# Altium PCB CB3-ECB_PCB.PcbDoc (part 3 of 4)
Units mm, origin at the board's own origin, x right, y up, seen from the top; angles counter-clockwise.
Board outline 205.5 x 149.67 mm, 4 copper layers (Top Layer, Layer 1, Layer 2, Bottom Layer), stack 1.56 mm thick; 352 components, 259 nets, 1548 pads, 901 vias.
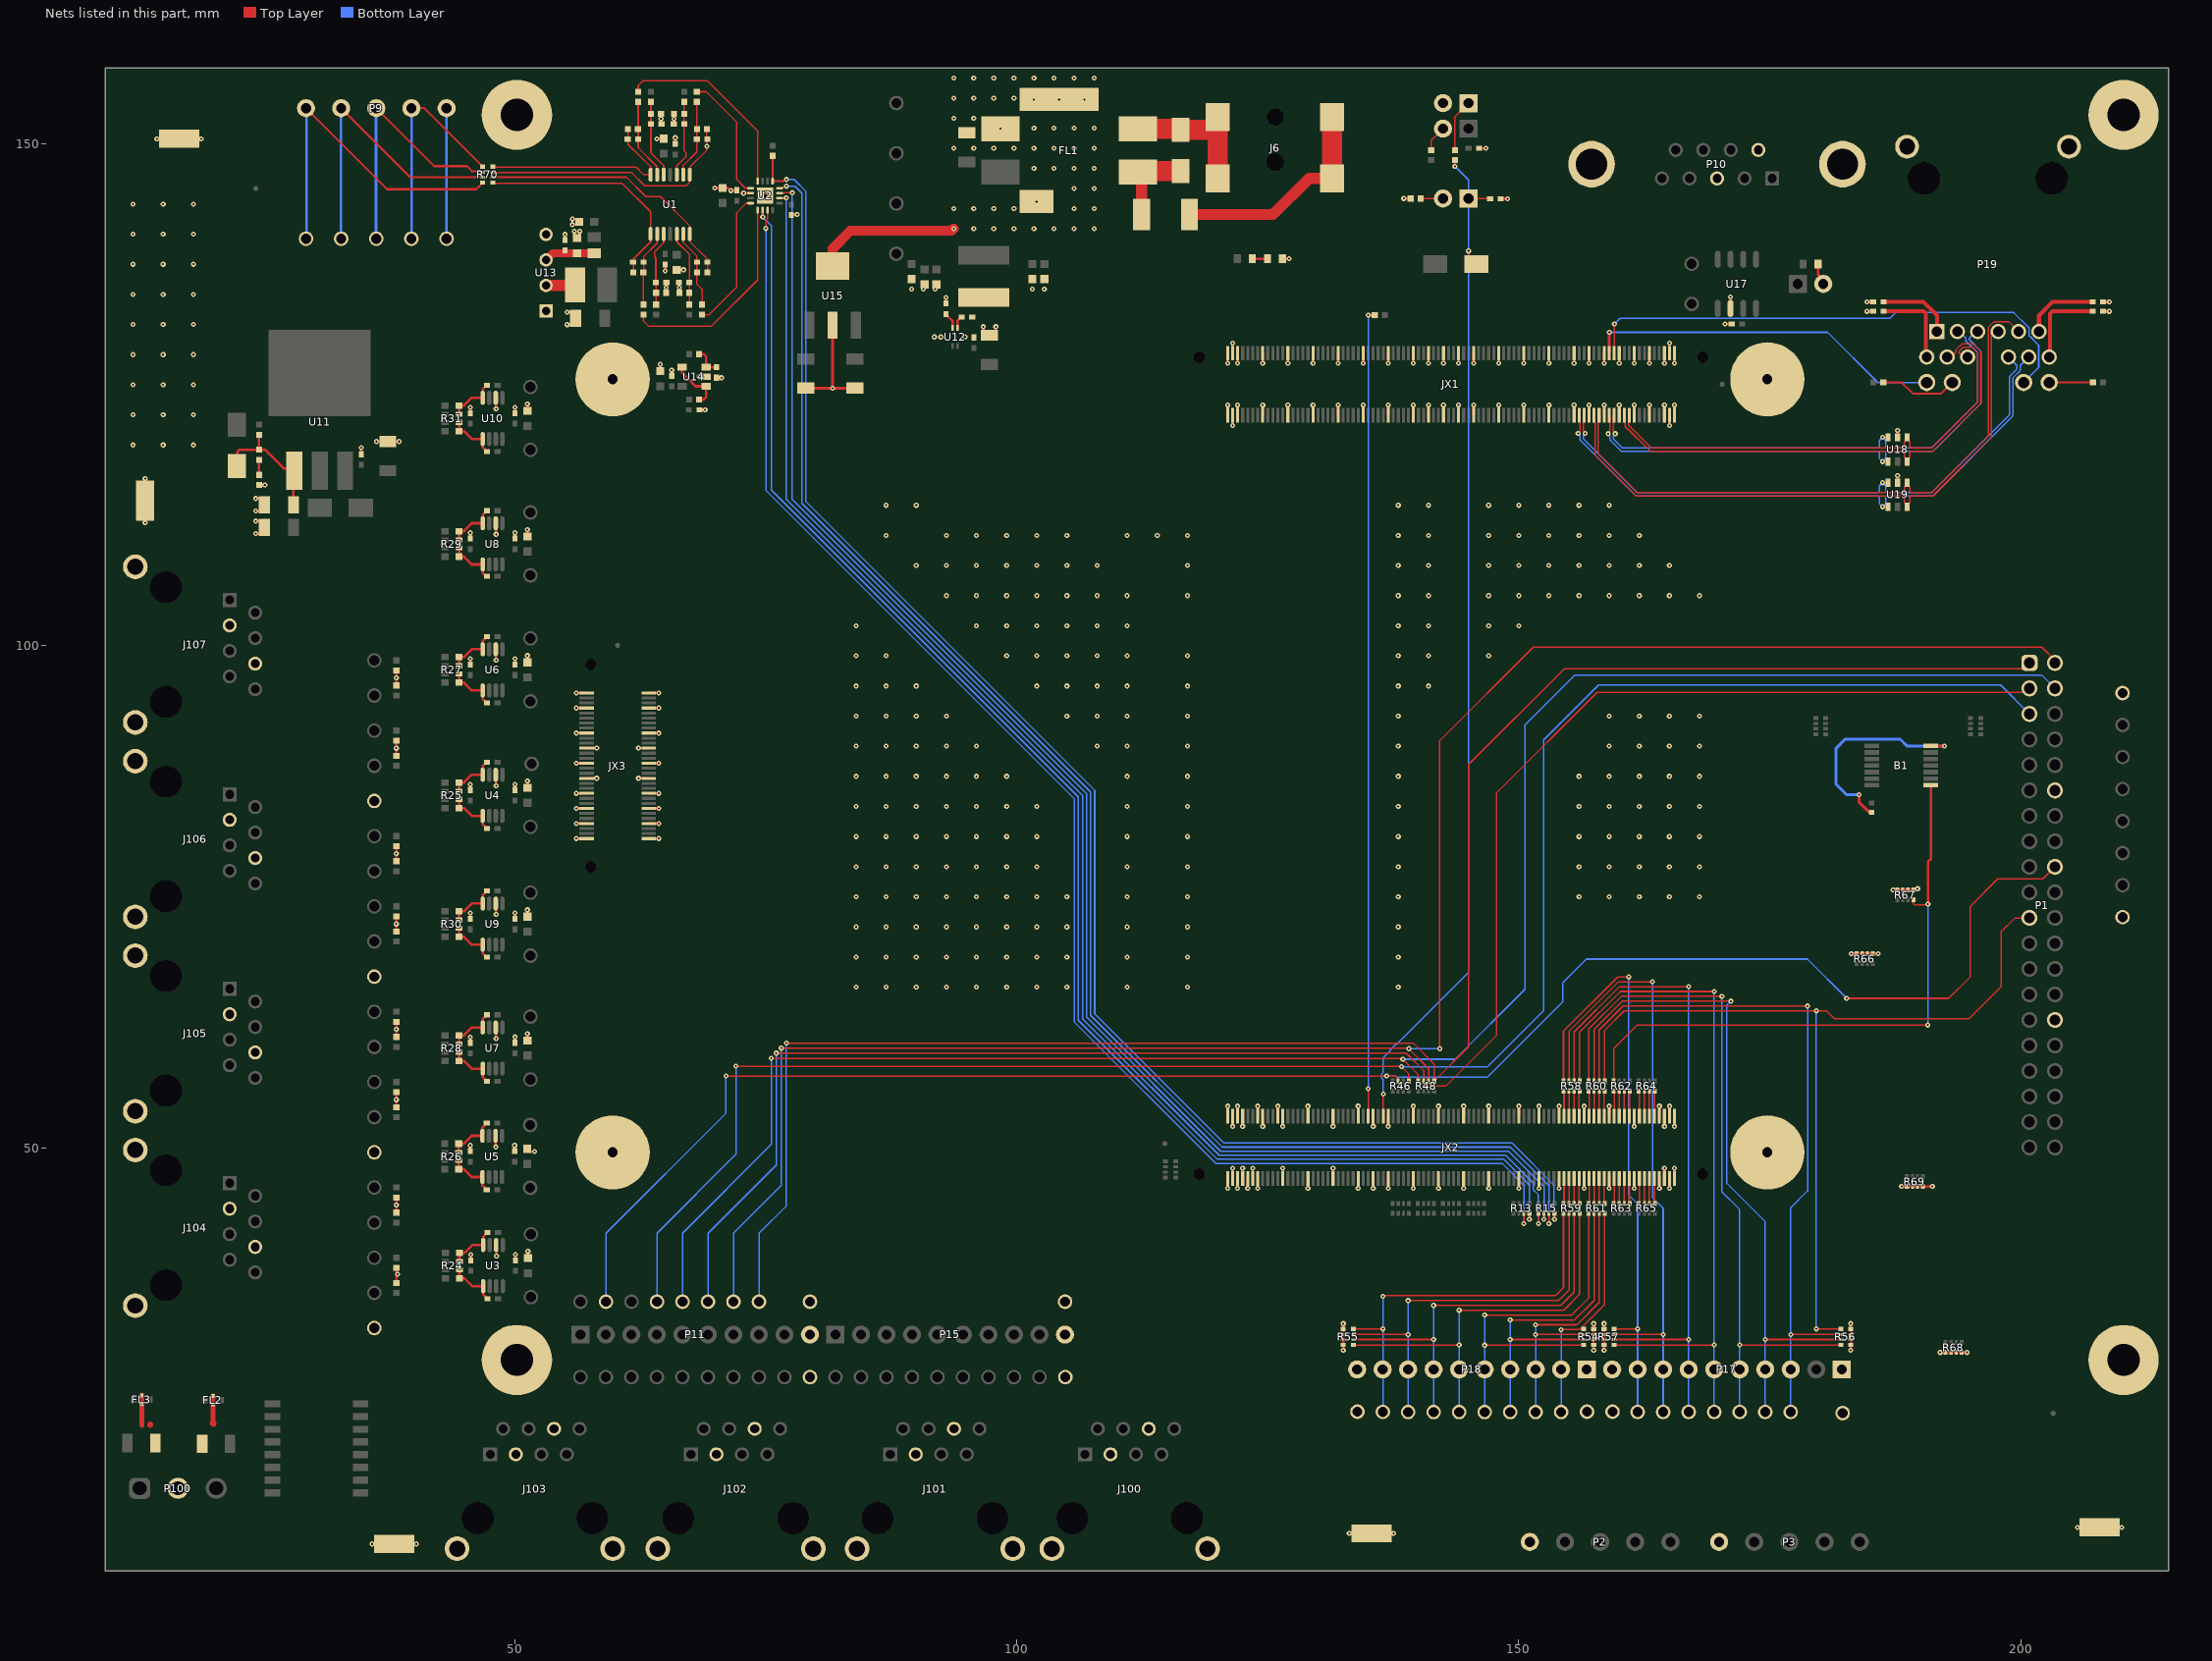
[diagram p5: the nets of this part, all layers, seen from the top]

## Via types
v1: diameter 0.508, hole 0.2, Top Layer to Bottom Layer, 457 vias
v2: diameter 0.508, hole 0.2, Top Layer to Bottom Layer, tented both sides, 440 vias
v3: diameter 0.508/0.508/0.508/0.508 (per signal layer), hole 0.2, Top Layer to Bottom Layer, tented both sides, 3 vias
v4: diameter 0.66, hole 0.33, Top Layer to Bottom Layer, tented both sides, 1 vias

## Nets (pads, with @x,y where several pads share a name; then routed paths per layer and width w, separated by ;. In a path a pad name is that pad's centre, name@x,y a point inside that pad or via, vN(x,y) a via of type N, cw(c..) or ccw(c..) an arc to the next point about the centre after c; other vN are vias at no path point) (continued)
CLK_V: P1.4 R48.4 TP27.1 | length 190.4
  Top Layer w0.152: v2(75.559,58.931) 75.612,58.878 138.397,58.878 139.977,57.298 R48.4@139.977,56.646
  Bottom Layer w0.152: TP27.1@66.719,34.675 66.719,41.495 75.559,50.335 v2(75.559,58.931) ; v3(138.45,58.825) 143.65,58.825 150.625,65.8 150.625,92.125 155.6,97.1 202.06,97.1 P1.4@203.4,95.76
CLK_W: P1.2 R48.2 TP37.1 | length 193.5
  Top Layer w0.152: v2(76.559,59.931) 138.994,59.931 v2(139.05,59.875) 139.05,59.854 141.026,57.878 141.026,56.647 R48.2@141.027,56.646 ; v2(142.125,59.875) 142.125,90.55 151.45,99.875 202.1,99.875 203.4,98.575 P1.2@203.4,98.3
  Bottom Layer w0.152: TP37.1@71.799,34.675 71.799,41.495 76.559,46.255 v2(76.559,59.931) ; v2(139.05,59.875) v2(142.125,59.875)
DAC0: C14.2 R20.2 R70.4 U1.14 | length 21.5
  Top Layer w0.152: R70.4@47.825,147.675 62.1,147.675 62.849,146.926 U1.14@63.546,146.926 63.533,147.758 61.292,149.931 61.297,150.457 R20.2@61.307,151.473
DAC1: C12.2 R16.2 R70.3 U1.8 | length 26.3
  Top Layer w0.152: R70.3@47.825,147.125 61.674,147.125 62.973,145.826 67.101,145.826 67.423,146.148 67.423,146.903 U1.8@67.446,146.926 67.474,146.954 67.474,147.699 69.139,149.364 v2(69.139,149.743) 69.139,151.46 R16.2@69.146,151.468
DAC2: C10.2 R9.2 R70.2 U1.7 | length 27.1
  Top Layer w0.152: R70.2@47.77,146.675 61.128,146.675 63.053,144.75 64.525,144.75 67.446,141.829 U1.7@67.446,141.026 67.446,140.275 69.213,138.509 C10.2@69.213,138.215 69.213,137.224 R9.2@69.188,137.199
DAC3: C5.2 R5.2 R70.1 U1.1 | length 23.6
  Top Layer w0.152: R70.1@47.825,146.075 60.7,146.075 63.546,143.229 U1.1@63.546,141.026 63.546,140.244 61.837,138.535 R5.2@61.837,137.199
DAC-0: P9.4 R70.5 TP104.1 | length 22.5
  Top Layer w0.203: P9.4@39.725,153.55 41,153.55 46.677,147.873 46.677,147.823 46.775,147.725 R70.5@46.825,147.725
  Bottom Layer w0.25: TP104.1@39.725,140.55 P9.4@39.725,153.55
DAC-1: P9.3 R70.6 TP103.1 | length 26.2
  Top Layer w0.203: P9.3@36.225,153.55 42,147.775 45.25,147.775 45.754,147.271 46.558,147.271 46.605,147.223 46.777,147.223 R70.6@46.825,147.175
  Bottom Layer w0.25: TP103.1@36.2,140.55 P9.3@36.2,153.55
DAC-2: P9.2 R70.7 TP102.1 | length 29.9
  Top Layer w0.203: P9.2@32.725,153.55 39.6,146.675 R70.7@46.825,146.675
  Bottom Layer w0.25: TP102.1@32.725,140.55 P9.2@32.725,153.55
DAC-3: P9.1 R70.8 TP101.1 | length 33.9
  Top Layer w0.203: P9.1@29.225,153.55 37.3,145.475 46.175,145.475 R70.8@46.825,146.125
  Bottom Layer w0.203: TP101.1@29.225,140.55 TP101.1@29.239,140.564
  Bottom Layer w0.25: TP101.1@29.275,140.55 P9.1@29.275,153.214
DAT_U: P1.5 R46.1 TP23.1 | length 190.1
  Top Layer w0.152: v2(72.039,58.153) 72.078,58.114 v2@138.324,58.114 ; v2@138.325,58.075 139.045,57.355 R46.1@139.045,56.646
  Bottom Layer w0.152: TP23.1@64.179,34.675 64.179,41.495 72.039,49.354 v2(72.039,58.153) ; v2(138.338,58.1) 138.338,58.062 v2@138.423,57.977 ; v2@138.423,58.075 146.875,58.075 152.475,63.675 152.475,90.625 157.95,96.1 197.98,96.1 P1.5@200.86,93.22
DAT_UDC: P1.18 R46.3 TP11.1 | length 177.8
  Top Layer w0.152: v2(71.052,57.153) v2(136.837,57.153) 137.712,57.153 137.922,56.943 137.922,56.72 R46.3@137.995,56.646 ; v2(182.647,64.887) 192.812,64.887 194.975,67.05 194.975,74.05 197.705,76.78 202.2,76.78 P1.18@203.4,77.98
  Bottom Layer w0.152: TP11.1@59.099,35.336 59.099,41.495 71.052,53.447 v2(71.052,57.153) ; v2(136.837,57.153) 137.714,57.153 137.841,57.025 146.85,57.025 154.375,64.55 154.375,66.45 156.725,68.8 178.75,68.8 182.647,64.903 v2(182.647,64.887)
DAT_V: P1.3 R48.3 TP33.1 | length 185.1
  Top Layer w0.152: v2(76.059,59.431) 138.794,59.431 140.527,57.698 140.527,56.896 140.527,56.821 R48.3@140.527,56.646 140.557,56.617 140.557,56.235 140.646,56.146 142.721,56.146 147.8,61.225 147.8,85.375 157.8,95.375 200.083,95.375 200.468,95.76 P1.3@200.86,95.76
  Bottom Layer w0.152: TP33.1@69.259,34.675 69.259,41.495 76.059,48.295 v2(76.059,59.431)
DAT_W: P1.1 R48.1 TP43.1 | length 187
  Top Layer w0.152: v2(77.059,60.431) 139.494,60.431 141.577,58.348 R48.1@141.577,56.646 141.577,56.696 141.701,56.82 141.751,56.82 144.995,60.064 144.995,88.17 154.55,97.725 200.11,97.725 200.685,98.3 P1.1@200.86,98.3
  Bottom Layer w0.152: TP43.1@74.339,34.675 74.339,41.495 77.059,44.215 v2(77.059,60.431)
GND: B1.7 C1.1 C2.1 C3.2 C4.2 C6.1 C7.1 C8.1 C9.1 C11.1 C13.1 C15.1 C18.1 C19.1 C20.1 C21.1 C22.1 C25.1 C28.1 C29.1 C30.1 C31.1 C32.1 C33.1 C38.1 C39.1 C40.1 C41.1 C42.1 C43.1 C46.1 C47.1 C50.1 C51.1 C52.1 C53.1 C56.1 C57.1 C59.1 C60.1 C61.1 C62.1 C63.1 C64.2 C65.2 C66.1 C67.2 C68.1 C69.1 C70.1 C71.1 C72.1 C73.1 C74.1 C75.1 C76.1 C77.1 C78.1 C79.1 C80.1 C81.1 C82.1 C83.1 C84.1 C85.1 C86.1 C87.1 C88.2 C89.1 FL1.4 FL2.2 FL2.4 FL3.2 FL3.4 J1.1 J2.1 J3.1 J4.1 J5.1 J100.3 J100.6 J100.9 J100.10 J101.3 J101.6 J101.9 J101.10 J102.3 J102.6 J102.9 J102.10 J103.3 J103.6 J103.9 J103.10 J104.3 J104.6 J104.9 J104.10 J105.3 J105.6 J105.9 J105.10 J106.3 J106.6 J106.9 J106.10 J107.3 J107.6 J107.9 J107.10 JX1.1 JX1.2 JX1.3 JX1.6 JX1.9 JX1.12 JX1.15 JX1.18 JX1.21 JX1.26 JX1.31 JX1.36 JX1.41 JX1.44 JX1.47 JX1.50 JX1.53 JX1.58 JX1.63 JX1.68 JX1.73 JX1.78 JX1.83 JX1.88 JX1.89 JX1.90 JX1.91 JX1.92 JX1.93 JX1.98 JX1.103 JX1.108 JX1.113 JX1.118 JX1.123 JX1.128 JX1.131 JX1.134 JX1.137 JX1.140 JX1.145 JX1.150 JX1.155 JX1.160 JX1.163 JX1.166 JX1.169 JX1.172 JX1.175 JX1.178 JX1.179 JX1.180 JX2.1 JX2.2 JX2.3 JX2.4 JX2.7 JX2.8 JX2.11 JX2.12 JX2.17 JX2.22 JX2.27 JX2.30 JX2.33 JX2.38 JX2.43 JX2.48 JX2.53 JX2.59 JX2.63 JX2.67 JX2.72 JX2.77 JX2.82 JX2.87 JX2.88 JX2.89 JX2.90 JX2.91 JX2.92 JX2.93 JX2.94 JX2.99 JX2.104 JX2.109 JX2.114 JX2.118 JX2.122 JX2.128 JX2.133 JX2.138 JX2.143 JX2.148 JX2.151 JX2.154 JX2.159 JX2.164 JX2.169 JX2.174 JX2.175 JX2.176 JX2.177 JX2.178 JX2.179 JX2.180 JX3.1 JX3.4 JX3.9 JX3.12 JX3.15 JX3.18 JX3.21 JX3.24 JX3.27 JX3.30 JX3.31 JX3.34 JX3.37 JX3.40 JX3.43 JX3.46 JX3.49 JX3.52 JX3.57 JX3.60 LED1.K P1.12 P1.30 P2.5 P3.5 P9.5 P10.3 P10.6 P10.MH1 P10.MH2 P11.10 P13.2 P15.10 P17.1 P17.10 P18.1 P18.10 P19.S1 P19.S2 P22.0 P23.0 P24.0 P25.0 P26.1 P27.1 P28.1 P29.1 P100.2 R3.1 R4.1 R8.1 R14.1 R19.1 R23.1 R34.1 R35.1 R37.1 R38.1 R39.1 R40.1 R54.5 R54.6 R54.7 R54.8 R55.5 R55.6 R55.7 R55.8 R56.5 R56.6 R56.7 R56.8 R57.5 R57.6 R57.7 R57.8 R66.5 R66.6 R66.7 R66.8 R67.5 R67.6 R67.7 R67.8 R68.5 R68.6 R68.7 R68.8 R69.5 R69.6 R69.7 R69.8 R71.1 R72.1 R73.1 R74.1 R75.1 R76.1 R77.1 R78.1 R79.1 R84.1 TP21.1 TP22.1 TP31.1 TP32.1 TP57.1 TP58.1 TP59.1 TP60.1 TP65.1 TP66.1 TP67.1 TP68.1 TP73.1 TP74.1 TP105.1 U2.2 U2.17 U3.6 U4.6 U5.6 U6.6 U7.6 U8.6 U9.6 U10.6 U12.1 U12.9 U13.1 U13.4 U14.2 U15.2 U15.4 U17.2 U18.2 U19.2 | length 307.2
  Top Layer w0.25: v1(24.225,111.175) C63.1@24.65,111.175 ; v1(24.225,112.425) C63.1@24.65,112.425 ; v1(24.225,113.425) C62.1@24.65,113.425 ; v1(24.225,114.675) 24.65,114.675 25.075,114.25 C62.1@25.075,114.05 ; R34.1@24.55,116.025 v1(25.125,116.025) ; C61.1@34.725,119.075 v1(34.725,119.725) ; v1(36.25,120.35) C60.1@37.375,120.35 v1(38.5,120.35) ; R76.1@38.225,36.55 38.225,37.23 38.341,37.346 v2(38.341,37.416) ; v2@38.225,37.416 R77.1@38.225,38.05 ; R72.1@38.225,43.55 v2(38.225,44.3) R73.1@38.225,45.05 ; R38.1@38.225,54.05 v2(38.225,54.8) R39.1@38.225,55.55 ; R3.1@38.225,61.05 v2(38.225,61.8) R4.1@38.225,62.55 ; R78.1@38.225,71.55 v2(38.225,72.3) R79.1@38.225,73.05 ; R74.1@38.225,78.55 v2(38.225,79.3) R75.1@38.225,80.05 ; R40.1@38.225,89.05 v2(38.225,89.8) R71.1@38.225,90.55 ; R35.1@38.225,96.05 v2(38.225,96.8) R37.1@38.225,97.55 ; C67.2@55.025,140.425 v1(55.025,140.975) ; v1(55.233,131.987) C66.1@55.658,131.987 ; v1(55.233,133.237) C66.1@55.658,133.237 ; v1(55.75,141.95) C65.2@56.2,141.95 ; v1(55.75,142.5) C65.2@56.2,142.5 ; C64.2@55.95,140.825 v1(55.95,141.275) ; C64.2@56,140.825 C64.2@56.225,140.6 ; C64.2@56.5,140.825 v1(56.5,141.275) ; C79.1@64.5,127.35 v1(64.5,128.025) ; v2(64.997,137.35) C2.1@64.997,137.967 ; C77.1@65.65,126.9 v1(65.65,127.475) ; C4.2@65.996,149.985 v2(65.996,150.602) ; v1(68.375,126.8) U14.2@69.075,126.8 ; C81.1@68.4,123.5 v1(68.975,123.5) ; v2(69.925,145.6) C9.1@70.725,145.6 71.222,145.6 71.484,145.339 v2(71.553,145.339) ; C80.1@70.1,126.7 v1(70.6,126.7) ; v2@71.623,145.339 v2(71.553,145.339) ; C8.1@72.125,145.375 72.107,145.357 71.572,145.357 v2(71.553,145.339) ; v2(72.797,145.084) U2.2@73.497,145.084 ; C7.1@77.553,142.896 77.58,142.923 78.098,142.923 v2(78.125,142.95) ; v1(92.95,134.7) 92.963,134.687 92.963,134.113 C72.1@92.975,134.1 ; v1(96.675,131.785) C68.1@96.675,131.36 ; v1(97.925,131.785) 97.925,131.36 97.5,130.935 C68.1@97.3,130.935 ; LED1.K@126.475,138.55 v1(127.125,138.55) ; v1(138.55,144.55) R84.1@139.225,144.55 ; C78.1@146.05,149.55 v1(146.725,149.55) ; C84.1@148.2,144.525 v1(148.875,144.525) ; v1(170.55,132.05) C70.1@171.2,132.05 ; U17.2@171.09,133.6 171.09,134.715 v1@171.125,134.75 ; v1(184.675,133.313) C76.1@185.275,133.313 ; v1(184.675,134.25) C75.1@185.275,134.25 ; U19.2@187.725,116.25 v2(187.725,116.95) ; U18.2@187.725,120.75 v2(187.725,121.45) ; C73.1@208.2,133.313 v1(208.8,133.313) ; C74.1@208.2,134.25 v1(208.8,134.25) ; C68.1@96.675,131.36 96.875,131.36 C68.1@97.3,130.935 ; C68.1@96.675,131.36 97.1,130.935 C68.1@97.3,130.935
  Top Layer w0.254: C30.1@45.575,49.669 v2(45.575,50.245) ; C40.1@45.6,60.463 v2(45.6,61.039) ; C50.1@45.6,72.808 v2(45.6,73.384) ; C25.1@45.6,85.635 v2(45.6,86.211) ; C33.1@45.6,98.132 v2(45.6,98.708) ; C43.1@45.6,110.679 v2(45.6,111.255) ; C53.1@45.6,123.176 v2(45.6,123.752) ; C20.1@45.648,38.791 v2(45.648,39.367) ; v2@48.11,50.113 U5.6@48.11,51.181 ; U10.6@48.122,124.701 48.135,124.688 48.135,123.62 v2(48.154,123.601) ; v2@48.135,60.908 U7.6@48.135,61.976 ; v2@48.135,73.252 U9.6@48.135,74.32 ; v2@48.135,86.079 U4.6@48.135,87.147 ; v2@48.135,98.576 U6.6@48.135,99.644 ; v2@48.135,111.123 U8.6@48.135,112.191 ; v2@48.183,39.235 U3.6@48.183,40.303 ; C21.1@50.005,49.669 v2(50.005,50.245) ; C28.1@50.03,60.464 v2(50.03,61.04) ; C31.1@50.03,72.808 v2(50.03,73.384) ; C38.1@50.03,85.635 v2(50.03,86.211) ; C41.1@50.03,98.132 v2(50.03,98.708) ; C46.1@50.03,110.679 v2(50.03,111.255) ; C51.1@50.03,123.176 v2(50.03,123.752) ; C18.1@50.078,38.791 v2(50.078,39.367) ; C22.1@51.25,49.896 51.521,49.625 v2(51.975,49.625) ; C52.1@51.273,123.401 51.275,123.403 v2(51.275,124.075) ; C29.1@51.275,60.691 v2(51.275,61.362) ; C32.1@51.275,73.035 v2(51.275,73.707) ; C39.1@51.275,85.862 v2(51.275,86.534) ; C42.1@51.275,98.359 v2(51.275,99.031) ; C47.1@51.275,110.906 v2(51.275,111.578) ; C19.1@51.323,39.018 v2(51.323,39.69) ; v2(56.146,80.805) JX3.31@57.16,80.805 ; v2(56.146,82.305) JX3.34@57.16,82.305 ; v2(56.146,83.805) JX3.37@57.16,83.805 ; v2(56.146,85.305) JX3.40@57.16,85.305 ; v2(56.146,88.305) JX3.46@57.16,88.305 ; v2(56.146,91.305) JX3.52@57.16,91.305 ; v2(56.146,93.805) JX3.57@57.16,93.805 ; v2(56.146,95.305) JX3.60@57.16,95.305 ; JX3.43@57.16,86.805 v2(58.175,86.805) ; JX3.49@57.16,89.805 v2(58.175,89.805) ; v2(62.336,86.805) JX3.18@63.35,86.805 ; v2(62.336,89.805) JX3.12@63.35,89.805 ; JX3.30@63.35,80.805 v2(64.365,80.805) ; JX3.27@63.35,82.305 v2(64.365,82.305) ; JX3.24@63.35,83.805 v2(64.365,83.805) ; JX3.21@63.35,85.305 v2(64.365,85.305) ; JX3.15@63.35,88.305 v2(64.365,88.305) ; JX3.9@63.35,91.305 v2(64.365,91.305) ; JX3.4@63.35,93.805 v2(64.365,93.805) ; JX3.1@63.35,95.305 v2(64.365,95.305) ; v2(64.168,150.502) C3.2@64.74,150.502 ; C15.1@64.577,151.982 v2(64.577,152.49) R23.1@64.577,152.998 ; R8.1@65.091,135.167 v2(65.091,135.675) C6.1@65.091,136.183 ; C13.1@65.887,151.982 v2(65.887,152.49) R19.1@65.887,152.998 ; C1.1@66.242,137.439 66.253,137.45 v2(66.825,137.45) ; R14.1@66.401,135.167 v2(66.401,135.675) C11.1@66.401,136.183 ; v2(121.005,45.959) JX2.180@121.005,46.96 ; JX2.1@121.005,53.15 v2(121.005,54.151) ; JX1.90@121.005,122.96 v2(121.005,123.972) ; v2(121.005,128.138) JX1.91@121.005,129.15 ; JX2.179@121.505,46.96 v2(121.505,47.961) ; v2(121.505,52.149) JX2.2@121.505,53.15 ; v2(121.505,121.948) JX1.89@121.505,122.96 ; JX1.92@121.505,129.15 v2(121.505,130.162) ; v2(122.005,45.959) JX2.178@122.005,46.96 ; JX2.3@122.005,53.15 v2(122.005,54.151) ; JX1.88@122.005,122.96 v2@122.005,123.972 ; v2@122.005,128.138 JX1.93@122.005,129.15 ; JX2.177@122.505,46.96 v2(122.505,47.961) ; v2(122.505,52.149) JX2.4@122.505,53.15 ; v2(123.005,45.959) JX2.176@123.005,46.96 ; JX2.175@123.505,46.96 v2(123.505,47.961) ; v2(124.005,45.959) JX2.174@124.005,46.96 ; JX2.7@124.005,53.15 v2(124.005,54.151) ; v2(124.505,52.149) JX2.8@124.505,53.15 ; JX1.83@124.505,122.96 v2(124.505,123.972) ; v2(124.505,128.138) JX1.98@124.505,129.15 ; JX2.11@126.005,53.15 v2(126.005,54.151) ; JX2.169@126.505,46.96 v2(126.505,47.961) ; v2(126.505,52.149) JX2.12@126.505,53.15 ; JX1.78@127.005,122.96 v2(127.005,123.972) ; v2(127.005,128.138) JX1.103@127.005,129.15 ; v2(129.005,45.959) JX2.164@129.005,46.96 ; JX2.17@129.005,53.15 v2(129.005,54.151) ; JX1.73@129.505,122.96 v2(129.505,123.972) ; v2(129.505,128.138) JX1.108@129.505,129.15 ; JX2.159@131.505,46.96 v2(131.505,47.961) ; v2(131.505,52.149) JX2.22@131.505,53.15 ; JX1.68@132.005,122.96 v2@132.005,123.972 ; v2@132.005,128.138 JX1.113@132.005,129.15 ; v2(132.521,29.83) R55.8@132.521,30.36 R55.7@132.521,30.91 R55.6@132.521,31.41 R55.5@132.521,31.96 v2(132.521,32.491) ; v2(134.005,45.959) JX2.154@134.005,46.96 ; JX2.27@134.005,53.15 v2(134.005,54.151) ; JX1.63@134.505,122.96 v2(134.505,123.972) ; v2(134.505,128.138) JX1.118@134.505,129.15 ; v2(135.505,45.959) JX2.151@135.505,46.96 ; v2(135.505,52.149) JX2.30@135.505,53.15 ; v2(137.005,45.959) JX2.148@137.005,46.96 ; v2(137.005,52.149) JX2.33@137.005,53.15 ; JX1.58@137.005,122.96 v2(137.005,123.972) ; v2(137.005,128.138) JX1.123@137.005,129.15 ; v2(139.505,45.959) JX2.143@139.505,46.96 ; JX2.38@139.505,53.15 v2(139.505,54.151) ; JX1.53@139.505,122.96 v2(139.505,123.972) ; v2(139.505,128.138) JX1.128@139.505,129.15 ; JX1.50@141.005,122.96 v2(141.005,123.972) ; v2(141.005,128.138) JX1.131@141.005,129.15 ; v2(142.005,45.959) JX2.138@142.005,46.96 ; JX2.43@142.005,53.15 v2(142.005,54.151) ; JX1.47@142.505,122.96 v2(142.505,123.972) ; v2(142.505,128.138) JX1.134@142.505,129.15 ; JX1.44@144.005,122.96 v2(144.005,123.972) ; v2(144.005,128.138) JX1.137@144.005,129.15 ; v2(144.505,45.959) JX2.133@144.505,46.96 ; JX1.41@145.505,122.96 v2@145.505,123.972 ; v2@145.505,128.138 JX1.140@145.505,129.15 ; v2(147.005,45.959) JX2.128@147.005,46.96 ; JX2.53@147.005,53.15 v2(147.005,54.151) ; JX1.36@148.005,122.96 v2(148.005,123.972) ; v2(148.005,128.138) JX1.145@148.005,129.15 ; v2(150.005,45.959) JX2.122@150.005,46.96 ; JX2.59@150.005,53.15 v2(150.005,54.151) ; JX1.31@150.505,122.96 v2(150.505,123.972) ; v2(150.505,128.138) JX1.150@150.505,129.15 ; v2(152.005,45.959) JX2.118@152.005,46.96 ; JX2.63@152.005,53.15 v2(152.005,54.151) ; JX1.26@153.005,122.96 v2(153.005,123.972) ; v2(153.005,128.138) JX1.155@153.005,129.15 ; v2(154.005,45.959) JX2.114@154.005,46.96 ; JX2.67@154.005,53.15 v2(154.005,54.151) ; JX1.21@155.505,122.96 v2@155.505,123.972 ; v2@155.505,128.138 JX1.160@155.505,129.15 ; v2(156.505,45.959) JX2.109@156.505,46.96 ; JX2.72@156.505,53.15 v2(156.505,54.151) ; JX1.18@157.005,122.96 v2(157.005,123.972) ; v2(157.005,128.138) JX1.163@157.005,129.15 ; v2(157.461,29.83) R54.5@157.461,30.36 R54.6@157.461,30.91 R54.7@157.461,31.41 R54.8@157.461,31.96 v2(157.461,32.491) ; v2(158.493,29.83) R57.8@158.493,30.36 R57.7@158.493,30.91 R57.6@158.493,31.41 R57.5@158.493,31.96 v2(158.493,32.491) ; JX1.15@158.505,122.96 v2(158.505,123.972) ; v2(158.505,128.138) JX1.166@158.505,129.15 ; v2(159.005,45.959) JX2.104@159.005,46.96 ; JX2.77@159.005,53.15 v2(159.005,54.151) ; JX1.12@160.005,122.96 v2(160.005,123.972) ; v2(160.005,128.138) JX1.169@160.005,129.15 ; v2(161.505,45.959) JX2.99@161.505,46.96 ; v2(161.505,52.149) JX2.82@161.505,53.15 ; JX1.9@161.505,122.96 v2(161.505,123.972) ; v2(161.505,128.138) JX1.172@161.505,129.15 ; JX1.6@163.005,122.96 v2(163.005,123.972) ; v2(163.005,128.138) JX1.175@163.005,129.15 ; v2(164.005,45.959) JX2.94@164.005,46.96 ; JX2.87@164.005,53.15 v2(164.005,54.151) ; JX2.93@164.505,46.96 v2(164.505,47.961) ; v2(164.505,52.149) JX2.88@164.505,53.15 ; JX1.3@164.505,122.96 v2(164.505,123.972) ; v2(164.505,128.138) JX1.178@164.505,129.15 ; v2(165.005,45.959) JX2.92@165.005,46.96 ; JX2.89@165.005,53.15 v2(165.005,54.151) ; v2(165.005,121.948) JX1.2@165.005,122.96 ; JX1.179@165.005,129.15 v2(165.005,130.162) ; JX2.91@165.505,46.96 v2(165.505,47.961) ; v2(165.505,52.149) JX2.90@165.505,53.15 ; JX1.1@165.505,122.96 v2@165.505,123.972 ; v2@165.505,128.138 JX1.180@165.505,129.15 ; v2(183.061,29.83) R56.5@183.061,30.36 R56.6@183.061,30.91 R56.7@183.061,31.41 R56.8@183.061,31.96 v2(183.061,32.491) ; v2(183.123,69.342) R66.8@183.653,69.342 R66.7@184.203,69.342 R66.6@184.703,69.342 R66.5@185.253,69.342 v2(185.784,69.342) ; v2(187.283,75.7) R67.8@187.7,75.7 R67.7@188.25,75.7 R67.6@188.75,75.7 R67.5@189.3,75.7 189.358,75.758 189.675,75.758 v2(189.724,75.806) ; v2(188.122,46.151) R69.5@188.652,46.151 R69.6@189.202,46.151 R69.7@189.702,46.151 R69.8@190.252,46.151 v2(191.189,46.151) ; v2(191.973,29.623) R68.5@192.503,29.623 R68.6@193.053,29.623 R68.7@193.553,29.623 R68.8@194.103,29.623 v2(194.634,29.623)
  Top Layer w0.3: JX2.48@144.505,53.15 v2(144.505,54.151) ; v1(183.9,85.175) 183.9,84.4 184.875,83.425 C89.1@185.15,83.425 ; B1.7@191.038,90.025 191.063,90 v1(192.4,90)
  Top Layer w0.305: v2(13.2,112.25) J2.1@13.2,114.45 v2(13.2,116.65) ; v2(14.378,150.5) J5.1@16.578,150.5 v2(18.778,150.5) ; v2(35.8,10.55) J4.1@38,10.55 v2(40.2,10.55) ; C86.1@79.014,125.672 81.628,125.672 v1(81.65,125.65) v1@81.663,125.663 ; U15.2@81.675,131.7 81.663,131.688 v1@81.663,125.663 ; C85.1@83.9,125.672 81.672,125.672 v1@81.663,125.663 ; v2(133.125,11.6) v2(137.525,11.6) ; v2(205.637,12.2) J1.1@207.837,12.2 ; J1.1@207.837,12.2 v2(210.037,12.2)
  Top Layer w0.5: 12.875,22.35 FL3.4@12.875,24.525 FL3.2@12.875,25.325 ; 19.95,22.575 FL2.4@19.95,25.275 FL2.2@19.95,24.475
  Top Layer w0.6: 13.725,22.4 13.725,22.425 ; 19.95,22.575 20,22.525
  Top Layer w1: U15.4@81.675,138.05 81.675,139.575 83.45,141.35 93.525,141.35 v1(93.725,141.55)
  Bottom Layer w0.25: TP105.1@43.225,140.55 P9.5@43.225,153.55
  Bottom Layer w0.3: v1(183.9,85.175) 182.625,85.175 181.6,86.2 181.6,89.8 182.5,90.7 188,90.7 188.7,90 v1(192.4,90)
  other v1: 84,66 87,66 90,66 93,66 96,66 99,66 102,66 105,66 111,66 117,66 138,66 84,69 87,69 90,69 93,69 96,69 99,69 102,69 105,69 111,69 117,69 138,69 84,72 87,72 90,72 93,72 96,72 99,72 102,72 105,72 111,72 117,72 138,72 84,75 87,75 90,75 93,75 96,75 99,75 102,75 105,75 111,75 117,75 138,75 156,75 159,75 162,75 165,75 168,75 84,78 87,78 90,78 93,78 96,78 99,78 102,78 111,78 117,78 138,78 156,78 159,78 162,78 165,78 168,78 84,81 87,81 90,81 93,81 96,81 99,81 102,81 111,81 117,81 138,81 156,81 159,81 162,81 165,81 168,81 84,84 87,84 90,84 93,84 96,84 99,84 102,84 111,84 117,84 138,84 156,84 159,84 162,84 165,84 168,84 84,87 87,87 90,87 93,87 96,87 99,87 111,87 117,87 138,87 156,87 159,87 162,87 165,87 168,87 84,90 87,90 90,90 93,90 96,90 108,90 111,90 117,90 138,90 159,90 162,90 165,90 168,90 84,93 87,93 90,93 93,93 105,93 108,93 111,93 117,93 138,93 159,93 162,93 165,93 168,93 84,96 87,96 90,96 102,96 105,96 108,96 111,96 117,96 138,96 141,96 84,99 87,99 99,99 102,99 105,99 108,99 111,99 117,99 138,99 141,99 147,99 84,102 96,102 99,102 102,102 105,102 108,102 111,102 138,102 141,102 147,102 150,102 93,105 96,105 99,105 102,105 105,105 108,105 111,105 117,105 138,105 141,105 147,105 150,105 153,105 156,105 159,105 162,105 165,105 168,105 90,108 93,108 96,108 99,108 102,108 105,108 108,108 117,108 138,108 141,108 147,108 150,108 153,108 156,108 159,108 162,108 165,108 87,111 93,111 96,111 99,111 102,111 105,111 111,111 114,111 117,111 138,111 141,111 147,111 150,111 153,111 156,111 159,111 162,111 87,114 90,114 138,114 141,114 147,114 150,114 153,114 156,114 159,114 12,120 15,120 18,120 12,123 15,123 18,123 12,126 15,126 18,126 12,129 15,129 18,129 91.8,130.76 92.45,130.76 94.85,130.76 12,132 15,132 18,132 171.09,134.75 12,135 15,135 18,135 89.525,135.525 90.7,135.525 91.875,135.525 101.55,135.525 102.75,135.525 12,138 15,138 18,138 12,141 15,141 18,141 95.725,141.55 97.725,141.55 99.725,141.55 101.725,141.55 103.725,141.55 105.725,141.55 107.725,141.55 93.725,143.55 95.725,143.55 97.725,143.55 99.725,143.55 105.725,143.55 107.725,143.55 12,144 15,144 18,144 101.975,144.25 105.725,145.55 107.725,145.55 101.725,147.55 103.725,147.55 105.725,147.55 107.725,147.55 93.725,149.55 95.725,149.55 97.725,149.55 99.725,149.55 101.725,149.55 103.725,149.55 105.725,149.55 107.725,149.55 98.375,151.5 101.725,151.55 103.725,151.55 105.725,151.55 107.725,151.55 93.725,152.55 95.725,152.55 101.725,154.4 104.225,154.4 106.725,154.4 93.725,154.55 95.725,154.55 97.725,154.55 99.725,154.55 93.725,156.55 95.725,156.55 97.725,156.55 99.725,156.55 101.725,156.55 103.725,156.55 105.725,156.55 107.725,156.55